# Altium PCB WS485H-V5_RS.PcbDoc (continued)
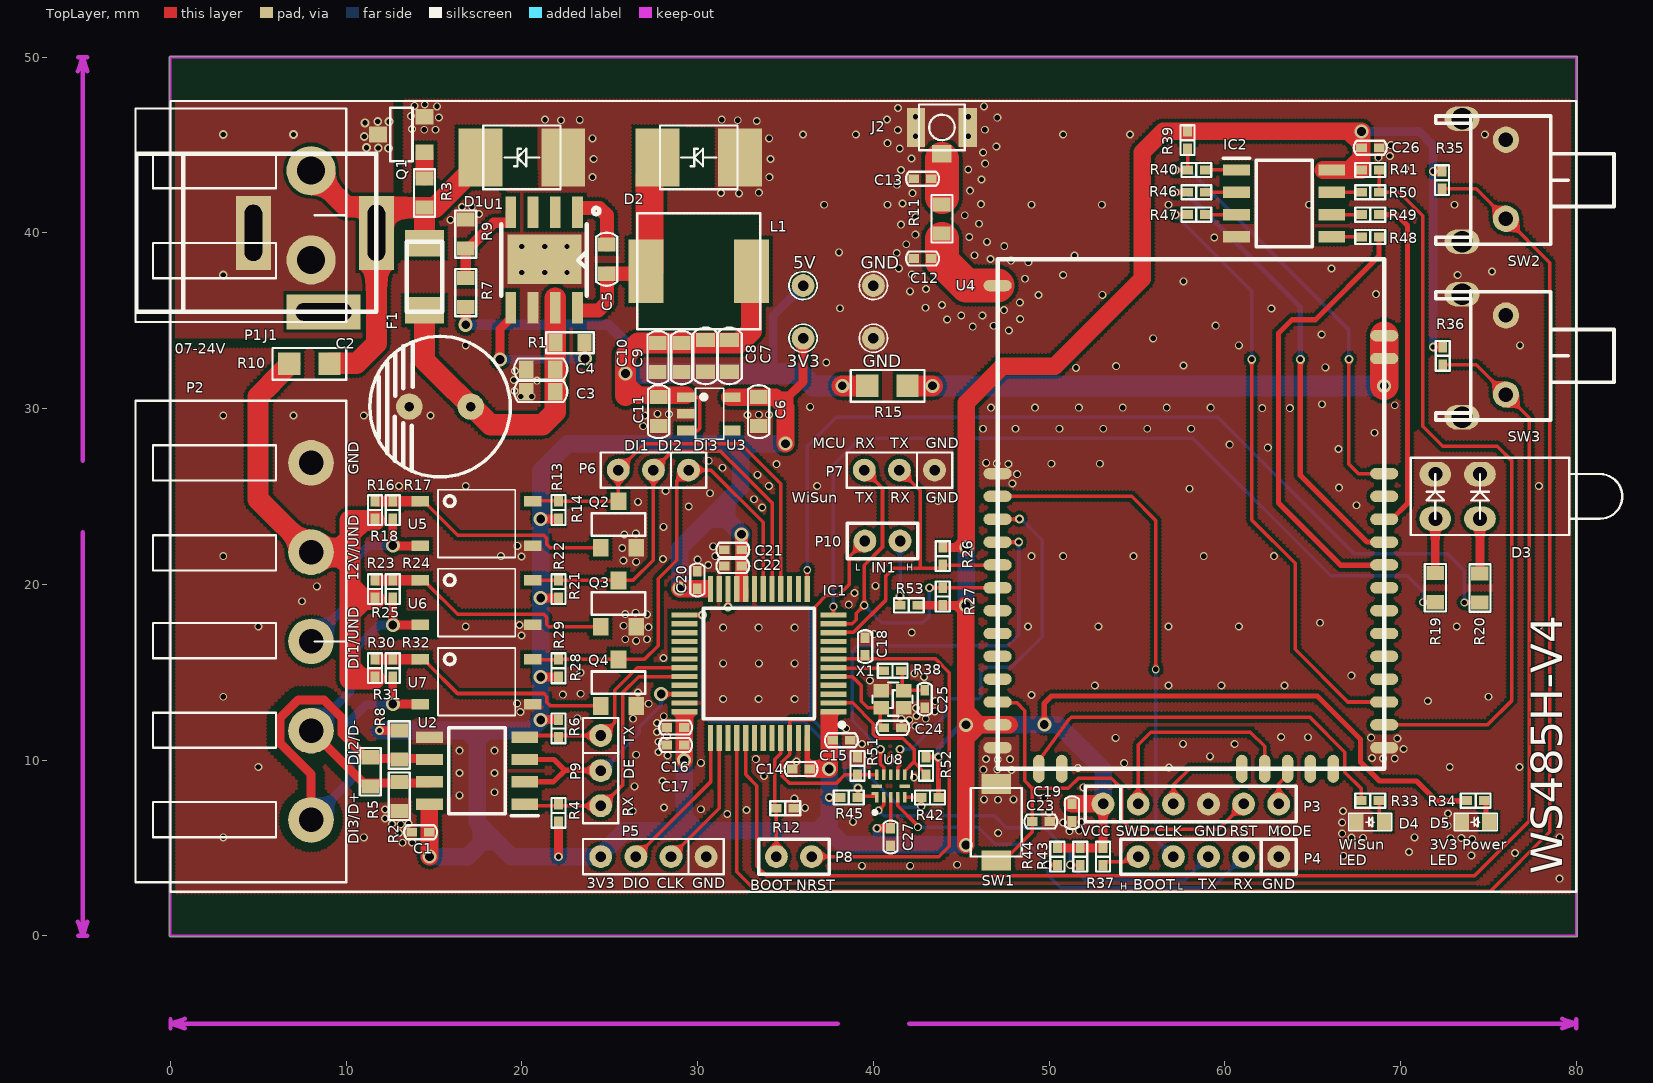
[diagram p0: TopLayer view]
## Nets (pads, with @x,y where several pads share a name; then routed paths per layer and width w, separated by ;. In a path a pad name is that pad's centre, name@x,y a point inside that pad or via, vN(x,y) a via of type N, cw(c..) or ccw(c..) an arc to the next point about the centre after c; other vN are vias at no path point)
3V3: 3V3.1 C1.2 C6.2 C14.2 C15.2 C16.1 C17.1 C19.2 C20.2 C21.1 C22.1 C26.2 C27.1 IC1.1 IC1.20 IC1.21 IC1.24 IC1.36 IC1.48 IC2.8 P3.1 P5.4 R4.2 R6.2 R8.2 R13.2 R14.2 R21.2 R22.2 R26.2 R27.2 R28.2 R29.2 R34.2 R35.1 R36.1 R37.1 R39.1 R41.2 R42.2 R43.2 R44.2 R45.2 R52.1 R53.1 U2.8 U3.5 U4.13 U8.3 | length 294
  TopLayer w0.2: 36.239,10.131 36.52,9.85 36.521,9.849 ; 36.839,9.859 37.121,10.141 ; 37.839,12.459 IC1.1@38.121,12.741 ; C27.1 U8.3
  TopLayer w0.3: IC1.36@28.709,12.681 28.851,12.539 ; 28.894,11.84 IC1.36@28.894,12.738 ; 29.599,11.84 IC1.36@29.599,12.738 ; 29.669,12.539 IC1.36@29.811,12.681 ; 30.372,19.392 IC1.24@30.732,19.392 ; 30.372,20.098 IC1.24@30.732,20.098 ; IC1.21@32.232,19.261 IC1.21 ; IC1.20@32.732,19.261 IC1.20 ; 34.79,30.83 35.09,30.83 ; 35.29,30.3 35.29,30.6 ; 36.23,9.85 36.232,9.85 ; IC1.48 36.232,9.85 ; C14.2@36.6,9.5 36.382,9.492 36.332,9.49 C14.2@36.232,9.59 ; 37.137,12.33 IC1.1@37.137,12.73 ; v3@37.361,9.85 36.52,9.85 36.232,9.85 ; v3@37.363,9.14 36.232,9.14 C14.2@36.232,9.59 ; 37.83,12.33 IC1.1@37.83,12.73 ; R52.1 v2(43.7,10.17) R42.2@43.7,7.87 ; R27.2 R27.2 ; 44.674,18.666 44.886,18.454 ; 44.684,22.244 44.896,22.456 ; v3(49.729,12.024) 49.729,13.239 50.13,13.64 65.26,13.64 67.72,11.18 67.72,9.88 68.8,8.8 70.9,8.8 72.011,7.689 R34.2 ; 52.714,5.144 52.926,5.356 ; C14.2@36.232,9.59 36.232,9.85
  TopLayer w0.5: v2(11.89,11.681) R8.2 ; v3@20.948,12.305 R6.2@22.082,12.305 ; v3(21.066,14.723) 22.08,14.723 R29.2 ; v3(21.066,19.216) R22.2@22.081,19.216 ; v3(21.066,23.715) R14.2@22.082,23.715 ; v2(22.082,4.5) R4.2@22.082,6.495 ; 35,30.066 35,30.53 36,31.53 3V3.1 ; v2(37.492,7.87) R45.2 ; v2(40.2,6.12) C27.1 ; R53.1 R27.2 ; R27.2 v3(45.263,18.8) ; R26.2 44.684,22.1 v3(45.293,22.1) ; R44.2 R37.1@52.86,5 ; R37.1 P3.1 ; v2(71.86,43.5) R35.1 ; v2@71.9,33.5 R36.1
  TopLayer w0.6: 45.56,11.273 46.02,11.733 ; 45.56,12.73 46.02,12.27 ; 66.919,45.621 C26.2@67.621,44.919 ; 66.929,43.719 67.631,44.421
  TopLayer w0.75: 32.477,19.364 32.48,19.746 ; 32.48,19.736 32.48,19.74 32.489,21.04 32.496,21.96 v3@32.502,22.844
  TopLayer w1: U2.8@14.732,7.201 C1.2 14.74,5.882 v3(14.74,4.5) ; v3(28.973,19.752) 29.979,19.745 C20.2 ; v3(29.232,9.991) 29.244,10.003 29.244,11.25 29.248,11.85 29.249,11.987 29.249,12 29.252,12.378 ; C20.2@29.982,19.745 30.372,19.742 ; U3.5@31.83,30.652 U3.5 C6.2 34.414,30.652 35,30.066 v3(35,28) ; C14.2@36.6,9.5 v3(37.482,9.49) 37.482,12.4 ; v3(45.263,5.17) v3(45.263,12.002) v3(45.263,18.8) ; v3@45.293,12.002 U4.13 U4.13@47.73,12.002 ; v3(45.293,22.1) 45.293,22.456 45.293,30.343 47.37,32.42 50.32,32.42 55.3,37.4 55.3,44.59 56.485,45.775 R39.1 66.919,45.775 v3(67.777,45.775) C26.2 R41.2 IC2.8 IC2.8@65.6,43.578 ; C19.2 P3.1
  BottomLayer w0.3: v2@43.708,10.138 43.708,10.698 v3@44.935,11.925
  BottomLayer w0.5: 40,5.17 40.2,5.37 v2(40.2,6.12) ; v3(67.777,45.775) 71.049,45.775 71.86,44.964 v2(71.86,33.5)
  BottomLayer w0.6: 16.592,11.648 17.294,10.946 ; 17.491,5.245 17.491,6.238 ; 17.554,10.942 18.256,11.644 ; 17.74,5.148 18.732,5.148 ; 28.415,6.208 29.117,6.91 ; 29.335,6.91 30.037,6.208 ; 30.637,23.5 31.63,23.5 ; 31.603,27.873 32.305,27.171 ; 31.86,23.71 31.86,24.703 ; 32.564,27.189 33.266,27.891 ; 36.666,6.089 37.368,6.791
  BottomLayer w1: v2(11.89,11.681) 20.48,11.681 21.066,12.267 v3(21.066,12.285) v3(21.066,14.723) v3(21.066,19.216) v3(21.066,23.715) 21.066,26.466 22.6,28 33.266,28 v3(35,28) ; v3(14.74,4.5) 16.9,4.5 18.145,5.745 ; 17.445,10.946 17.445,6.445 17.99,5.9 18.145,5.745 ; P5.4@24.45,4.577 25.858,5.984 28.714,5.984 ; P5.4 v2(22.082,4.5) 19.39,4.5 18.145,5.745 ; 28.72,5.98 36.671,5.98 37.482,5.98 ; v3(28.973,19.752) 28.973,22.053 31.281,24.361 ; 29.226,6.094 v3@29.226,9.985 ; 32.447,27.8 32.447,25.527 31.281,24.361 ; v3(32.5,22.844) 32.496,22.844 31.281,24.059 31.281,24.361 ; v3(37.482,9.49) 37.482,5.98 ; v3(45.263,5.17) 40,5.17 38.292,5.17 37.482,5.98 ; v3@45.293,12.002 49.706,12.002 v3(49.729,12.024) ; v3@45.293,18.8 v3(45.293,22.1) ; v3@49.729,12.002 50.53,12.002 53.07,9.462 P3.1
5V: 5V.1 C7.2 C8.2 C9.2 C10.2 C11.2 L1.2 R7.2 R15.1 U3.1 U3.3 | length 52.9
  TopLayer w0.2: U3.3 30.012,28.752 30.129,28.869 30.129,30.534 30.012,30.652 U3.1@29.554,30.652
  TopLayer w0.5: 26.161,31.569 26.799,30.931
  TopLayer w0.6: v3(16.8,34.77) R7.2
  TopLayer w1: 25.9,30.754 C11.2@27.677,30.754 ; C11.2@27.779,30.754 U3.1@29.36,30.754
  TopLayer w1.2: 25.9,30.754 v3(25.9,32) 25.9,33.02 26.603,33.723 C10.2 ; C10.2 30.45,33.723 32.357,33.723 33.06,34.426 L1.2 ; v3(38.23,31.295) R15.1
  BottomLayer w0.5: 34.3,32 34.3,35.3 5V.1
  BottomLayer w0.6: v3(16.8,34.77) 24.92,34.77 25.9,33.79 v3(25.9,32)
  BottomLayer w1.2: v3(25.9,32) 34.3,32 35.85,32 36.555,31.295 v3(38.23,31.295)
7-24V: C2.1 C3.2 C4.2 F1.2 R1.1 U1.7 | length 18.6
  TopLayer w1.2: F1.2 14.455,32.745 15.34,31.86 C2.1 17.171,30.11 18.201,29.08 21.16,29.08 21.895,29.815 21.895,32.173 21.895,33.5 U1.7 U1.7@21.895,36.3
BOOT: P4.4 U4.3 | length 29.1
  TopLayer w0.2: U4.3 54.698,25.002 56.07,23.63 v1(56.07,15.162)
  BottomLayer w0.2: v1(56.07,15.162) 56.07,5.5 P4.4
BOOT0: IC1.45 P8.1 R12.2 | length 6.9
  TopLayer w0.2: P8.1 R12.2 ; R12.2@34.506,7.274 34.382,7.398 34.382,8.758 34.382,10.03 34.717,10.365 34.717,11.247 IC1.45
BST: C5.1 U1.1 | length 3.3
  TopLayer w0.8: U1.1@23.38,41.419 24.411,41.419 24.828,41.002 C5.1
CLK: R49.1 U4.32 | length 19.4
  TopLayer w0.3: R49.1 69.762,41.038 70.39,40.41 70.39,24.59 69.502,23.702 U4.32
D+: P2.5 R5.2 R8.1 R31.2 R32.1 U2.6 U7.2 | length 30.2
  TopLayer w0.5: R32.1@12.651,14.725 v3(12.651,13.185) U7.2
  TopLayer w0.514: P2.5 8,9.185 6.243,10.942 6.243,12.398 7.272,13.427 8.728,13.427 9.757,12.398 9.757,11.525 9.75,11.518 10.97,10.299 11.223,10.299 R5.2 ; R5.2@11.134,10.097 13.02,10.097 U2.6@14.861,10.097
  BottomLayer w0.5: P2.5 10.25,8.84 10.25,12.26 11.13,13.14 12.606,13.14 v3(12.651,13.185)
D-: P2.4 R2.2 R5.1 R24.1 R25.2 U2.7 U6.2 | length 19.6
  TopLayer w0.5: R25.2 v3(12.651,17.685) U6.2
  TopLayer w0.514: P2.4@8.01,11.67 R5.1@11.14,8.54 ; R5.1@11.006,8.693 13.02,8.693 U2.7@14.733,8.693
  BottomLayer w0.5: P2.4 10.23,13.9 10.23,16.033 11.882,17.685 v3(12.651,17.685)
Debug_RX: P4.2 R44.1 U8.4 | length 23.6
  TopLayer w0.2: U8.4 41.38,7.4 42.48,6.3 42.48,6.228 v1(42.528,6.18) ; v2@50.131,4.04 50.43,4.04 R44.1
  BottomLayer w0.2: v1(42.528,6.18) 45.96,6.18 46.93,5.21 48.79,5.21 49.921,4.079 v2(49.921,4.04) 49.921,3.469 50.66,2.73 59.3,2.73 P4.2
Debug_TX: P4.3 R43.1 U8.2 | length 22.5
  TopLayer w0.2: v1(40.289,7.131) 40.58,7.423 U8.2 ; 51.461,4 R43.1
  BottomLayer w0.2: v1(40.289,7.131) 40.6,6.82 46.89,6.82 47.57,6.14 49.75,6.14 51.211,4.679 51.211,4 52.051,3.16 57.73,3.16 P4.3
  other v2: 51.211,4.04
DI1: P2.3 R17.1 R18.2 U5.2 | length 11.3
  TopLayer w0.5: R18.2@12.651,23.725 R18.2 v3(12.651,22.2) 12.651,22.185 U5.2
  BottomLayer w0.5: P2.3 10.22,18.97 10.22,21.15 11.27,22.2 12.37,22.2 v3(12.651,22.2)
FB: R7.1 R9.2 U1.4 | length 5.4
  TopLayer w0.6: R7.1 R9.2 16.9,39.201 17.041,39.201 18.407,40.567 19.35,40.567 19.355,40.572 U1.4
GND: C1.1 C2.2 C3.1 C4.1 C6.1 C7.1 C8.1 C9.1 C10.1 C11.1 C12.1 C13.1 C14.1 C15.1 C16.2 C17.2 C18.2 C19.1 C20.1 C21.2 C22.2 C23.2 C24.2 C25.2 C26.1 C27.2 D1.1 D2.1 D3.2 D3.4 D4.2 D5.2 GND.1 IC1.19 IC1.23 IC1.35 IC1.47 IC2.4 J2.2 P2.1 P3.4 P4.1 P5.1 P7.1 Q1.2 Q2.2 Q3.2 Q4.2 R2.1 R9.1 R12.1 R51.1 SW1.2 SW2.0 SW2.2 SW3.0 SW3.2 U1.6 U1.9 U2.5 U3.2 U4.2 U4.14 U4.22 U5.3 U6.3 U7.3 U8.9 X1.3 X1.4 | length 0.2
  TopLayer w0.2: IC1.19@33.22,19.92 33.22,19.738 IC1.19
  other v1: 79.05,3.25 39.35,3.975 42.094,3.975 44.77,4.04 66.76,4.55 74.03,4.57 76.516,4.714 70.48,4.76 13.2,5.29 13.75,5.3 74.084,5.499 67.86,5.57 72.85,5.55 73.46,5.56 3,5.6 11,5.6 67.21,5.58 70.8,5.6 79.05,5.6 66.68,5.81 13,5.84 47.1,5.84 51.16,5.95 51.71,5.98 61.08,5.99 63.12,6.01 72.68,6.26 12.6,6.36 13.099,6.339 13.55,6.39 50.8,6.45 66.68,6.45 38.84,6.48 51.84,6.47 12.21,6.67 31.682,6.934 72.7,6.96 49.99,7.01 26.3,7.1 66.73,7.1 32.782,7.159 12.21,7.18 30.182,7.2 28.084,7.297 36.11,7.28 47.09,7.74 46.29,7.76 47.98,7.76 35.5,7.81 49.72,7.85 16.45,7.99 18.44,8.168 51.96,8.445 26.4,8.5 28,8.8 42.31,9.01 33.77,9.09 16.45,9.26 18.44,9.26 47.86,9.43 46.26,9.45 47.05,9.47 51.638,9.55 56.82,9.57 5,9.6 72.8,9.6 76.77,9.6 30.182,9.84 54.27,9.82 35.63,9.91 40.97,10.01 47.08,10.03 33.31,10.05 46.41,10.06 47.77,10.05 69.01,10.08 69.67,10.08 68.37,10.12 59.16,10.21 28.29,10.26 39.72,10.27 26.5,10.3 27.77,10.45 16.45,10.53 18.44,10.53 70.18,10.63 39.35,10.91 57.62,10.92 60.56,10.91 27.77,11.04 69.82,11.23 53.79,11.26 68.33,11.27 63.206,11.311 64.734,11.294 28.244,11.35 28.244,11.35 27.68,11.6 38.45,11.79 42.39,11.94 27.69,12.11 42.043,12.272 41.592,12.326 26.32,12.35 42.98,12.35 23.15,12.37 28.07,12.49 42.46,12.5 19.908,12.726 43.49,12.77 42.42,12.965 19.73,13.22 27.21,13.2 43.52,13.35 71.555,13.355 31.452,13.47 33.472,13.47 35.522,13.47 3,13.6 75,13.6 49.001,13.699 22.329,13.719 23.34,13.77 26.61,13.84 52.601,14.24 56.796,14.24 59.801,14.24 63.4,14.24 39.8,14.529 42.877,14.72 67.2,14.8 42.342,14.93 23.33,14.97 31.452,15.5 33.482,15.5 35.522,15.5 28.056,15.8 26.5,16.78 25.88,16.87 27.12,16.87 19.977,17.084 40.03,17.16 42.182,17.252 31.452,17.53 33.472,17.53 35.522,17.53 27.2,17.56 5,17.6 16.8,17.6 48.8,17.6 52.8,17.6 56.8,17.6 60.8,17.6 73.2,17.6 77.87,17.6 25.79,17.64 19.866,17.685 65.411,17.809 25.88,18.3 27.12,18.29 26.47,18.38 38.6,18.84 7.478,19.036 38.92,19.5 8.325,19.885 40.12,19.91 30.6,21.1 26.5,21.28 25.77,21.35 30,21.4 28.023,21.44 3,21.6 18.8,21.6 19.977,21.584 31,21.6 49.001,21.599 50.8,21.6 54.8,21.6 58.8,21.6 62.8,21.6 25.71,22.07 30.88,22.16 19.74,22.19 25.82,22.83 26.48,22.89 28.05,23.27 33.67,24.37 29.491,24.426 67.5,24.5 26.6,24.69 43.67,24.74 33.2,24.84 30.706,25.181 28.18,25.31 57.99,25.44 66.5,25.5 13,25.6 16.8,25.6 34.05,25.6 36.8,25.6 77.87,25.6 47.91,25.73 33.41,26.23 48.18,26.27 31.41,26.63 34.483,26.835 47.68,26.85 50.13,26.86 52.89,26.86 47.02,26.88 46.42,26.91 30.63,27.03 66.466,27.7 62.45,27.774 60.278,27.945 68.52,28.627 46.243,28.85 48.083,28.85 50.583,28.85 53.083,28.85 55.583,28.85 58.083,28.85 26.9,29 3,29.6 7,29.6 11,29.6 14.8,29.6 27,29.6 32.84,29.63 33.48,29.65 34.05,29.65 27.72,29.702 28.36,29.68 62.13,30.026 63.7,30.026 46.694,30.05 49.194,30.05 51.694,30.05 54.194,30.05 56.694,30.05 59.194,30.05 36.4,30.1 69.67,30.19 65.53,30.245 19.937,30.691 20.551,30.691 19.573,31.002 20.86,31.59 19.54,31.63 19.6,32.136 51.528,32.32 65.72,32.345 53.814,32.416 57.65,32.45 37.32,32.62 16.8,33.6 60.8,33.6 76.8,33.6 55.924,33.996 65.51,34.21 47.71,34.44 45.653,34.66 46.847,34.714 59.48,34.72 44.2,35.073 48.354,35.1 45,35.3 46.2,35.3 47.43,35.602 62.65,35.69 38.1,35.71 42.961,35.737 43.9,35.9 48.336,36.042 49.395,36.464 53.028,36.472 68.6,36.51 42.09,36.67 43,36.8 57.65,37.24 48.623,37.388 50.8,37.6 73.25,37.6 42.19,37.63 19.99,37.74 21.29,37.74 22.56,37.74 75.204,37.804 41.45,37.98 66.07,37.97 48.821,38.33 47.834,38.42 46.667,38.518 51.44,38.71 45.752,38.725 41.328,38.85 38.04,38.89 19.99,39.22 21.29,39.22 22.56,39.22 47.448,39.245 41.87,39.35 46.461,39.487 59.4,39.74 45.456,39.766 42.387,39.9 41.57,40.466 46.012,40.519 15.93,40.74 42.4,40.9 45.2,41 17.56,41.07 16.59,41.47 17.16,41.49 37.2,41.6 40.8,41.6 49,41.6 53,41.6 56.8,41.6 64.8,41.6 73.075,41.6 46.129,41.632 41.651,41.668 32.35,42.25 31.33,42.27 42.22,42.26 33.48,42.29 45.5,42.4 41.337,42.736 46.147,43.032 24.02,43.17 34.08,43.17 41.57,43.58 45.4,43.6 70.26,43.65 46.362,43.938 24.08,44.2 34.14,44.2 42.17,44.23 68.75,44.28 69.39,44.38 46.246,44.575 41.5,44.8 46.999,44.916 69.45,44.99 40.799,45.105 24.01,45.38 34.07,45.38 42.4,45.5 45.4,45.5 36,45.6 39,45.6 50.8,45.6 54.6,45.6 74.8,45.6 41.394,45.851 14.44,45.87 15.08,45.87 46.344,45.868 13.75,45.91 33.36,46.36 22.22,46.41 32.28,46.41 21.31,46.44 23.29,46.43 31.37,46.44 40.772,46.451 15.27,46.57 47.053,46.558 42.4,46.6 45.4,46.6 13.69,46.64 41.4,47.1 15.17,47.2 46.3,47.2 13.88,47.23 14.47,47.3
HOLD: R41.1 R50.1 U4.23 | length 43.7
  TopLayer w0.2: R41.1 68.78,43.575 68.78,42.93 68.777,42.927 R50.1 69.922,42.308 71.26,40.97 71.26,29 72.4,27.86 75.5,27.86 76.34,27.02 76.34,13.39 74.952,12.002 U4.23
IN1: IC1.46 P10.1 R51.2 U8.11 | length 22.2
  TopLayer w0.2: P10.1 38.63,21.575 38.63,19.99 38.01,19.37 37.32,19.37 36.682,18.732 36.682,12.476 36.506,12.3 35.349,12.3 35.232,12.182 IC1.46 35.232,10.314 34.958,10.04 34.782,9.864 34.782,9.116 34.958,8.94 34.96,8.94 35.21,8.69 37.9,8.69 38.38,9.17 38.97,9.17 R51.2 U8.11
IN2: IC1.2 R52.2 U8.7 | length 8.7
  TopLayer w0.2: IC1.2 38.82,13.25 40,12.07 40,11.456 40.216,11.24 41.68,11.24 42.313,10.607 42.313,9.903 41.78,9.37 U8.7 ; 42.303,9.893 42.826,9.37 42.85,9.37 43,9.22 R52.2
"joint point A": Q2.1 R16.2 R17.2 R18.1 U5.1 | length 14
  TopLayer w0.2: U5.1 14.416,24.725 U5.1@14.616,24.525 ; U5.1@14.616,24.524 16.355,22.785 21.24,22.785 21.416,22.609 21.416,22.272 21.604,22.083 Q2.1
  TopLayer w0.6: R16.2@11.734,24.721 14.216,24.721 U5.1
"joint point B": Q3.1 R23.2 R24.2 R25.1 U6.1 | length 14.1
  TopLayer w0.2: U6.1 14.416,20.225 14.616,20.025 14.616,20.014 16.345,18.285 21.24,18.285 21.416,18.109 21.416,17.701 21.533,17.583 Q3.1
  TopLayer w0.6: R23.2@11.688,20.225 R25.1 U6.1
"joint point C": Q4.1 R30.2 R31.1 R32.2 U7.1 | length 14.1
  TopLayer w0.2: U7.1 14.416,15.725 14.616,15.525 14.616,15.504 16.335,13.785 21.24,13.785 21.416,13.609 21.416,13.291 21.624,13.083 Q4.1
  TopLayer w0.6: R30.2@11.697,15.725 U7.1
KEY0: IC1.40 R35.2 SW2.1 | length 96
  TopLayer w0.2: IC1.40 32.232,10.026 32.232,3.648 33.34,2.54 75.12,2.54 78.5,5.92 78.5,38.3 SW2.1 74.3,42.5 R35.2
KEY1: IC1.41 R36.2 SW3.1 | length 82.2
  TopLayer w0.2: IC1.41 32.732,9.178 33.37,8.54 33.37,3.95 33.92,3.4 74.19,3.4 77.32,6.53 77.32,29.48 SW3.1 74.3,32.5 R36.2
LED1: IC1.12 R19.2 | length 48.2
  TopLayer w0.2: IC1.12 38.25,18.25 IC1.12@38.3,18.3 ; IC1.12@37.72,18.3 v1(37.72,18.729) ; v1(71.285,18.979) R19.2
  BottomLayer w0.2: v1(37.72,18.729) 37.72,26.78 39.24,28.3 58.2,28.3 66.02,20.48 70.382,20.48 71.285,19.577 v1(71.285,18.979)
LED2: IC1.13 R20.2 | length 52.4
  TopLayer w0.2: IC1.13 IC1.13 36.233,20.711 v1@36.235,20.713 ; v1(73.63,18.965) R20.2
  BottomLayer w0.2: v1(36.235,20.813) 36.235,27.845 37.89,29.5 59.6,29.5 67.353,21.747 72.67,21.747 73.63,20.787 v1(73.63,18.965)
LED_G: IC1.18 P6.1 Q4.3 R28.1 R29.1 U7.4 | length 27.5
  TopLayer w0.2: U7.4 20.66,15.725 20.66,15.71 R29.1@22.082,15.71 ; R29.1 25.482,15.725 26.975,15.725 27.75,16.5 27.75,20.31 28.81,21.37 28.81,25.89 29.42,26.5 30.762,26.5 33.732,23.53 IC1.18
LED_R: IC1.16 P6.3 Q2.3 R13.1 R14.1 U5.4 | length 23.3
  TopLayer w0.2: U5.4 U5.4@20.62,24.725 ; U5.4@20.68,24.75 R14.1@22.022,24.75 ; R14.1 24.5,24.725 25.482,24.725 P6.3 26.982,28 32.45,28 34.732,25.718 IC1.16
LED_Y: IC1.17 P6.2 Q3.3 R21.1 R22.1 U6.4 | length 25.8
  TopLayer w0.2: U6.4 R22.1 25.482,20.225 26.32,20.225 27.473,21.378 27.473,23.657 27.482,23.666 P6.2 28.542,27.56 31.32,27.56 34.232,24.648 IC1.17
MCU_RX1: IC1.32 P9.3 R4.1 U2.1 | length 15.4
  TopLayer w0.2: U2.1 20.252,7.395 21.987,7.395 R4.1 22.177,7.395 P9.3 ; P9.3@24.482,7.33 25.75,8.598 25.75,13.85 26.64,14.74 29.234,14.74 IC1.32
MCU_RX2: IC1.11 P7.3 R27.1 U4.7 | length 20.7
  TopLayer w0.2: IC1.11 38.79,17.75 39.03,17.99 39.03,18.35 v2(39.482,18.802) 39.482,21.084 40.519,22.12 40.519,23.685 40.519,25.463 40.46,25.522 P7.3 ; v2(43.191,19.802) R27.1 U4.7
  BottomLayer w0.2: v2(39.482,18.802) 40.482,17.802 42.802,17.802 43.191,18.191 v2(43.191,19.802)
MCU_RX3: IC1.25 R45.1 U8.1 | length 19.4
  TopLayer w0.2: IC1.25 v2(30.274,18.25) v2@30.281,18.243 ; R45.1 39.13,7.9 v2(39.13,8.4) ; R45.1@39.1,7.93 U8.1@40.18,7.93
  BottomLayer w0.2: v2(30.274,18.25) 30.274,12.556 30.66,12.17 36.08,12.17 38.38,9.87 38.38,9.15 v2(39.13,8.4)
MCU_TX1: IC1.31 P9.1 R6.1 U2.4 | length 11.9
  TopLayer w0.2: U2.4 20.252,11.395 21.987,11.395 R6.1 22.177,11.395 P9.1 ; P9.1@24.482,11.33 25.29,12.138 25.29,13.97 26.57,15.25 IC1.31
MCU_TX2: IC1.10 P7.2 R26.1 U4.6 | length 17.9
  TopLayer w0.2: IC1.10 37.731,17.261 38.867,17.261 40.715,19.11 40.715,20.485 41.14,20.91 42.662,20.91 ; P7.2 42.662,25.32 42.662,20.91 ; R26.1 R26.1@43.946,21.09 ; U4.6 47.058,21.09 R26.1@43.946,21.09 ; 42.662,20.91 43.796,20.91 43.946,21.06 R26.1@43.946,21.09
MCU_TX3: IC1.22 R42.1 U8.5 | length 21.8
  TopLayer w0.2: v2(31.732,18.71) IC1.22 ; U8.5 42.7,7.87 42.72,7.85 v2(42.72,7.37)
  BottomLayer w0.2: v2(31.732,18.71) 36.303,18.71 36.42,18.593 36.42,12.43 41.533,7.317 42.667,7.317 v2(42.72,7.37)
MISO: R46.2 U4.31 | length 26.4
  TopLayer w0.3: v2(57.177,42.308) R46.2 ; v2(64.3,32.8) 64.3,26.2 68.098,22.402 U4.31
  BottomLayer w0.3: v2(57.177,42.308) 57.762,42.308 64.3,35.77 v2(64.3,32.8)
MODE: P3.6 U4.19 | length 2.2
  TopLayer w0.2: P3.6 63.07,8.648 63.57,9.148 U4.19
MOSI: R48.1 U4.30 | length 25.8
  TopLayer w0.3: R48.1 68.777,38.677 65.157,35.057 63.817,35.057 63.05,34.29 63.05,24.63 66.602,21.078 69.046,21.078 U4.30
NetC12_2: C12.2 R11.1 U4.1 | length 5
  TopLayer w1.944: R11.1@43.9,39.657 43.9,38.4 45.298,37.002 U4.1
NetC13_2: C13.2 J2.1 R11.2 | length 2.2
  TopLayer w1.944: 43.9,42.043 J2.1@43.9,44.2
NetC25_1: C25.1 R38.2 X1.2 | length 2.4
  TopLayer w0.2: R38.2 41.64,15.031 41.64,14.032 X1.2 ; X1.2@41.757,13.965 C25.1
NetD3_1: D3.1 R20.1 | length 3.1
  TopLayer w0.5: R20.1 D3.1
NetD3_3: D3.3 R19.1 | length 3.1
  TopLayer w0.5: R19.1 D3.3
NetD4_1: D4.1 R33.1 | length 0.9
  TopLayer w0.2: D4.1@68.775,6.749 R33.1
NetD5_1: D5.1 R34.1 | length 1.3
  TopLayer w0.3: R34.1 74.8,7.689 R34.1@74.9,7.589 ; D5.1@74.87,6.624 R34.1@74.87,7.589 ; D5.1@74.9,6.624 D5.1
NetIC2_1: IC2.1 R40.2 | length 1.8
  TopLayer w0.2: R40.2 IC2.1
NetIC2_2: IC2.2 R46.1 | length 1.8
  TopLayer w0.2: R46.1 IC2.2
NetIC2_3: IC2.3 R47.2 | length 1.8
  TopLayer w0.2: R47.2 IC2.3
NetIC2_5: IC2.5 R48.2 | length 1.7
  TopLayer w0.2: IC2.5 R48.2
NetIC2_6: IC2.6 R49.2 | length 1.7
  TopLayer w0.2: IC2.6 R49.2
NetIC2_7: IC2.7 R50.2 | length 1.7
  TopLayer w0.2: IC2.7 R50.2
NetP4_5: P4.5 R37.2 | length 2.2
  TopLayer w0.2: R37.2 53.07,4.05 53.22,4.2 54.285,4.2 54.585,4.5 P4.5
  BottomLayer w0.2: P4.5@55.04,4.46 P4.5@55.04,4.47
NetP10_2: P10.2 R53.2 | length 3.7
  TopLayer w0.2: R53.2 v2(41.518,19.342)
  BottomLayer w0.2: v2(41.518,19.342) P10.2
NetQ1_1: Q1.1 R3.1 | length 1.3
  TopLayer w1: R3.1@14.455,43.2 Q1.1@14.455,44.51
NetR1_2: R1.2 U1.5 | length 9
  TopLayer w0.3: U1.5@19.355,35.136 U1.5 ; R1.2 R1.2@23.596,33.72
  TopLayer w0.5: v3(18.745,32.791) 18.745,34.526 U1.5@19.355,35.136 ; v3(23.596,32.843) R1.2@23.596,33.72
  BottomLayer w0.5: v3(18.745,32.791) 18.764,32.811 23.563,32.811 v3(23.596,32.843)
NetR15_2: R15.2 U4.35 U4.36 | length 30
  TopLayer w1.2: R15.2 v3(43.363,31.295)
  TopLayer w1.6: v3(69.07,31.295) U4.35 U4.36
  BottomLayer w1.2: v3(43.363,31.295) v3(69.07,31.295)
NRST: C18.1 IC1.7 P8.2 | length 24.9
  TopLayer w0.2: P8.2 43.73,4.5 44.32,5.09 44.32,14.97 43.54,15.75 42.336,15.75 42.13,15.75 39.53,15.75 39.212,15.75 IC1.7
OSO_IN: C24.1 IC1.5 X1.1 | length 5.1
  TopLayer w0.2: IC1.5 38.79,14.75 39.3,14.24 39.3,13.336 39.67,12.965 X1.1@40.235,12.965 ; C24.1@40.4,11.976 40.4,12.8 X1.1@40.235,12.965 ; X1.1 X1.1@40.235,12.965
OSO_OUT: IC1.6 R38.1 | length 2.9
  TopLayer w0.2: IC1.6 37.76,15.21 40.461,15.21 R38.1
PGND: J1.2 P1.2 Q1.3
  other v2: 3,37.6 12.407,44.817 11.82,44.83 11.16,44.85 11.02,45.49 3,45.6 7,45.6 11.07,46.26 11.79,46.34 12.44,46.33
RESET: C23.1 P3.5 SW1.1 U4.12 | length 26
  TopLayer w0.2: U4.12@47.102,13.27 48.15,13.27 48.62,12.8 48.62,8.81 49.03,8.4 ; SW1.1@47.531,4.38 49.03,5.879 C23.1 49.03,8.4 ; P3.5 59.64,6.07 54.64,6.07 54.12,6.59 54.12,8.39 53.54,8.97 51.67,8.97 51.1,8.4 49.03,8.4
RS485-DE: IC1.34 P9.2 U2.2 U2.3 | length 14.1
  TopLayer w0.2: v3@28.105,13.722 28.133,13.75 IC1.34
  TopLayer w0.3: U2.2 21.79,8.76 22.44,9.41 ; U2.3 21.82,10.03 22.44,9.41 ; P9.2 24.467,9.41 22.44,9.41
  BottomLayer w0.2: P9.2@24.482,9.33 26.67,11.518 26.67,11.88 27.923,13.133 v3(27.923,13.75)
SRAM_CS: R39.2 R40.1 U4.34 | length 25.3
  TopLayer w0.2: v2(57.177,43.578) R40.1 ; R40.1@57.877,43.66 R39.2 ; v2(67.066,32.804) 67.066,26.834 67.598,26.302 U4.34
  BottomLayer w0.2: v2(57.177,43.578) 57.962,43.578 67.066,34.474 v2(67.066,32.804)
SW: C5.2 D2.2 L1.1 U1.8 | length 11.5
  TopLayer w0.8: U1.8@23.311,35.579 24.359,35.579 24.828,36.048 C5.2 ; C5.2 C5.2 ; L1.1@27.23,37.672 C5.2
  TopLayer w1.6: L1.1@27.02,37.86 L1.1 ; L1.1@27.262,37.86 D2.2@27.262,43.2 ; D2.2@27.71,43.89 D2.2
SWCLK: IC1.38 P5.2 | length 8.2
  TopLayer w0.2: P5.2@28.3,4.318 31.232,7.25 IC1.38
SWCLK-W: P3.3 U4.17 | length 5.3
  TopLayer w0.2: P3.3 57.07,8.577 58.023,9.53 U4.17@60.72,9.53 ; U4.17@60.748,9.502 U4.17
SWD-W: P3.2 U4.18 | length 12.5
  TopLayer w0.2: P3.2 55.07,10.87 55.79,11.59 61.453,11.59 62.27,10.773 U4.18
SWDIO: IC1.37 P5.3 | length 8.5
  TopLayer w0.2: P5.3 28.699,6.717 30.732,8.75 IC1.37
VCC: P2.2 R10.2 R16.1 R23.1 R30.1 | length 33.8
  TopLayer w0.6: P2.2@9.266,21.574 9.974,20.866 ; P2.2@9.266,22.046 9.974,22.754 ; 10.366,15.524 11.074,14.816 ; 10.446,18.196 11.154,18.904 ; 10.446,20.084 11.154,19.376 ; 10.446,22.696 11.154,23.404
  TopLayer w1.2: R10.2 6.808,32.542 6.81,32.54 5.734,31.464 5.734,31.434 4.99,30.69 4.99,24.84 P2.2 10,21.83 ; 10.21,14.626 R30.1@11.601,14.626 ; 10.21,14.726 10.21,19.125 ; R23.1@11.601,19.125 10.21,19.125 ; R16.1@11.601,23.622 10.21,23.622 10.21,19.125
VIN: D1.2 F1.1 J1.1 P1.1 R3.2 R10.1 | length 25.6
  TopLayer w1.2: P1.1 8,43.5 8.2,43.3 8.269,43.3 8.8,42.769 8.8,42.7 10,41.5 11.314,41.5 11.714,41.1 J1.1 ; R10.1 9.085,32.577 10.577,32.577 11.714,33.714 J1.1 ; F1.1 R3.2 ; D1.2@17,43.4 15.04,41.44 R3.2 ; D1.2@18,43.4 D1.2@18,44.35 ; J1.1 11.714,41.04 12.114,41.44 R3.2
WISUN-LED1: R33.2 U4.15 | length 23.1
  TopLayer w0.2: U4.15 49.42,9.977 51.143,12.313 51.26,12.43 64.85,12.43 66.83,10.45 66.83,9.3 67.775,8.355 R33.2
WiSun_RX1: U4.4 U8.8 | length 22.1
  TopLayer w0.2: U8.8 41.38,9.429 41.38,9.594 41.52,9.734 v2(41.52,10.613) ; U4.4 48.292,23.702 v2(48.31,23.72)
  BottomLayer w0.2: v2@41.48,10.613 42.163,10.613 44.11,12.56 44.11,13.27 44.32,13.48 45.983,13.48 46.1,13.597 46.1,15.163 46.217,15.28 47.86,15.28 49.601,17.021 49.601,22.509 48.49,23.62 48.464,23.62 48.364,23.72 v2(48.31,23.72)
WiSun_TX1: U4.5 U8.10 | length 24.1
  TopLayer w0.2: v2(40.4,10.613) 40.4,9.774 40.58,9.594 40.58,9.429 U8.10 ; U4.5 v2(48.27,22.402)
  BottomLayer w0.2: v2@40.44,10.613 38.8,12.253 38.8,16.2 39.1,16.5 47.641,16.5 48.27,17.129 v2(48.27,22.402)
WP: R47.1 U4.24 | length 34.6
  TopLayer w0.2: v2(57.177,41.038) R47.1 ; v2(61.53,32.8) 61.53,23.66 64,21.19 64,16.3 66.998,13.302 U4.24
  BottomLayer w0.2: v2(57.177,41.038) 61.53,36.685 v2(61.53,32.8)
pads on no net: IC1.3 IC1.4 IC1.8 IC1.9 IC1.14 IC1.15 IC1.26 IC1.27 IC1.28 IC1.29 IC1.30 IC1.33 IC1.39 IC1.42 IC1.43 IC1.44 J1.3 U1.2 U1.3 U3.4 U4.8 U4.9 U4.10 U4.11 U4.16 U4.20 U4.21 U4.25 U4.26 U4.27 U4.28 U4.29 U4.33 U8.6 U8.12

## Polygon pours and split planes (outlines as drawn)
GND on TopLayer "TopLayer-No Net 1" (hatched 90Degree grid 0.2 track 0.2, remove dead copper, pour order 1006): 79.973,0.01 79.973,50.01 -0.027,50.01 -0.027,0.01
PGND on TopLayer "TopLayer-No Net 1" (solid, remove dead copper, pour order 1005): 0,47.5 12.69,47.5 12.69,34 0,34
GND on BottomLayer "TopLayer-No Net 1" (hatched 90Degree grid 0.2 track 0.2, remove dead copper, pour order 1008): 79.99,0.01 79.99,50.01 -0.01,50.01 -0.01,0.01
PGND on BottomLayer "TopLayer-No Net 1" (solid, remove dead copper, pour order 1007): 0,47.5 12.69,47.5 12.69,34 0,34

## Keep-outs
KeepOutLayer:
  lines w0.127: 0,0 80,0 80,50 0,50 0,0
  lines w0.254: -5.267,0.8 -5,0 ; -5.267,49.2 -5,50 ; -5.254,0 -4.746,0 ; -5.254,50 -4.746,50 ; -5,22.97 -5,0 ; -5,27.03 -5,50 ; -4.733,0.8 -5,0 ; -4.733,49.2 -5,50 ; 0,-5.254 0,-4.746 ; 0.8,-5.267 0,-5 ; 0.8,-4.733 0,-5 ; 37.97,-5 0,-5 ; 42.03,-5 80,-5 ; 79.2,-5.267 80,-5 ; 79.2,-4.733 80,-5 ; 80,-5.254 80,-4.746
  text "50mm" at -4.5,23.224 h0.8 r90
  text "80mm" at 38.224,-5.5 h0.8

## Other copper
TopLayer:
  pour cut-out: 29.06,46.09 29.06,42.49 31.06,42.49 31.06,42.54 31.05,46.09
  pour cut-out: 80.064,-0.074 80.064,2.44 -0.064,2.44 -0.064,-0.064
  pour cut-out: 80.065,47.551 80.065,50.065 -0.063,50.065 -0.063,47.561
  pour cut-out: 26.56,34.52 33.56,34.52 33.56,41.12 26.56,41.12
  pour cut-out: 19,46.09 19,42.49 21,42.49 21,42.54 20.99,46.09
BottomLayer:
  pour cut-out: 80.065,47.553 80.065,50.067 -0.063,50.067 -0.063,47.563
  pour cut-out: 80.064,-0.074 80.064,2.44 -0.064,2.44 -0.064,-0.064

## Silkscreen, mask and mechanical layers (free items; w line width, h text height)
TopOverlay:
  lines w0.127: 0,2.5 0,47.5 80,47.5 80,2.5 0,2.5
  text "07-24V" at 0.25,33.11 h0.6
  text "RX" at 38.97,27.752 h0.6
  text "TX" at 40.97,27.752 h0.6
  text "GND" at 42.97,27.752 h0.6
  text "MCU" at 36.55,27.73 h0.6
  text "DI1" at 25.83,27.61 h0.6
  text "DI2" at 27.73,27.61 h0.6
  text "DI3" at 29.75,27.61 h0.6
  text "GND" at 10.7,26.244 h0.6 r90
  text "WiSun" at 35.36,24.652 h0.6
  text "TX" at 38.97,24.652 h0.6
  text "RX" at 40.97,24.652 h0.6
  text "GND" at 42.97,24.652 h0.6
  text "L" at 38.98,20.76 h0.4
  text "H" at 41.86,20.76 h0.4
  text "IN1" at 39.869,20.66 h0.6
  text "12V/UND" at 10.7,20.206 h0.6 r90
  text "DI1/UND" at 10.7,15.167 h0.6 r90
  text "TX" at 26.39,10.88 h0.6 r90
  text "DI2/D-" at 10.7,9.66 h0.6 r90
  text "DE" at 26.39,8.91 h0.6 r90
  text "RX" at 26.34,6.77 h0.6 r90
  text "VCC" at 51.8,5.655 h0.6
  text "SWD" at 53.804,5.655 h0.6
  text "CLK" at 56.004,5.655 h0.6
  text "GND" at 58.27,5.655 h0.6
  text "RST" at 60.27,5.655 h0.6
  text "MODE" at 62.454,5.655 h0.6
  text "DI3/D+" at 10.7,5.215 h0.6 r90
  text "WiSun / LED" at 66.471,4 h0.6
  text "3V3 Power / LED" at 71.651,4 h0.6
  text "WS485H-V4" at 79.19,3.5 h1.8 r90
  text "3V3" at 23.682,2.69 h0.6
  text "DIO" at 25.732,2.69 h0.6
  text "CLK" at 27.682,2.69 h0.6
  text "GND" at 29.682,2.69 h0.6
  text "TX" at 58.487,2.64 h0.6
  text "RX" at 60.487,2.64 h0.6
  text "GND" at 62.137,2.64 h0.6
  text "H" at 54.06,2.62 h0.4
  text "BOOT" at 54.79,2.62 h0.6
  text "L" at 57.31,2.62 h0.4
  text "BOOT" at 33,2.6 h0.6
  text "NRST" at 35.6,2.6 h0.6
Mechanical1:
  circle w0.254: c17.416,23.455 r0.078
  circle w0.254: c17.416,23.455 r0.078
  lines w0.127: -2.01,0.62 -2.01,50.62 ; -0.01,25.62 79.99,25.62 ; 39.99,0.62 39.99,50.62 ; 81.99,0.62 81.99,50.62
  lines w0.254: -4.55,-0.38 -2.01,-0.38 ; -3.534,-0.888 -2.01,-0.38 ; -3.534,0.128 -2.01,-0.38 ; -2.01,-0.634 -2.01,-0.126 ; -0.01,-0.634 -0.01,-0.126 ; -0.01,51.755 -0.01,52.263 ; 1.514,-0.888 -0.01,-0.38 ; 1.514,0.128 -0.01,-0.38 ; 1.514,51.501 -0.01,52.009 ; 1.514,52.517 -0.01,52.009 ; 2.53,-0.38 -0.01,-0.38 ; 3.883,52.009 -0.01,52.009 ; 12.597,52.009 16.49,52.009 ; 14.966,51.501 16.49,52.009 ; 14.966,52.517 16.49,52.009 ; 18.014,51.501 16.49,52.009 ; 18.014,52.517 16.49,52.009 ; 37.843,52.009 16.49,52.009 ; 46.637,52.009 67.99,52.009 ; 66.466,51.501 67.99,52.009 ; 66.466,52.517 67.99,52.009 ; 69.514,51.501 67.99,52.009 ; 69.514,52.517 67.99,52.009 ; 70.511,52.009 67.99,52.009 ; 77.45,-0.799 79.99,-0.799 ; 77.469,52.009 79.99,52.009 ; 78.466,-1.307 79.99,-0.799 ; 78.466,-0.291 79.99,-0.799 ; 78.466,51.501 79.99,52.009 ; 78.466,52.517 79.99,52.009 ; 79.99,-1.053 79.99,-0.545 ; 79.99,51.755 79.99,52.263 ; 81.99,-1.053 81.99,-0.545 ; 83.514,-1.307 81.99,-0.799 ; 83.514,-0.291 81.99,-0.799 ; 84.53,-0.799 81.99,-0.799 ; 16.49,51.755 16.49,52.263 16.49,51.755 ; 67.99,51.755 67.99,52.263 67.99,51.755
  text "16.5mm" at 4.137,51.095 h1.52
  text "51.5mm" at 38.097,51.095 h1.52
  text "12mm" at 70.765,51.095 h1.52
  text "2mm" at -3.676,-4.037 h1.52
  text "2mm" at 78.324,-4.456 h1.52
Mechanical2:
  lines w0.127: 0,0 0,49.82 0,50 80,50 80,0.12 80,0 0,0
  text "WS485-V4.1" at 69.83,0.63 h1
Mechanical13:
  circle w0.2: c95.941,19.578 r0.1
  circle w0.2: c15.34,30.31 r0.46
  lines w0.127: 96.591,17.678 98.291,17.678 98.291,19.678 96.591,19.678 96.591,17.678
  lines w0.2: 14.455,35.5 ccw(c19.647,35.192) 19.338,30 ; 18.2,40.2 cw(c18.09,40.358) 18.282,40.358
  text "關於UART，或是其餘需要用到GND的地方，其實就在旁邊家的GND會更好！！！" at 11.686,57.66 h0.6
  text "可以家電源指示燈，也可以用旁邊的燈用韌體來改動！！" at 15.534,56.49 h0.6
  text "UART 需要看誰傳資料、誰為主體，部不然很容易搞混！！！" at 15.044,55.17 h0.6
  text "Q1、D2、F1順序要對" at 9.042,48.22 h0.6
  text "需要加入5v的保線絲" at 9.952,36.86 h0.6
  text "調整線路，要塞5V線過去" at 37.022,31.96 h0.6
  text "這裡要個0R大電阻！！" at 38.571,30.7 h0.6
  text "因為是共lay， / 所以3v3不能直接連過去， / 會影響到DCDC部分的。" at 13.543,28.769 h0.6
  text "這邊或許可以整理得更好， / 讓訊號不用繞+GND OK。" at 21.317,22.339 h0.6
  text "R18可以橫擺" at 30.251,7.6 h0.6
Mechanical15:
  lines w0.05: 96.241,17.401 98.641,17.401 98.641,19.955 96.241,19.955 96.241,17.401